# KiCad board data-center-rdimm-ddr4-tester.kicad_pcb (continued)
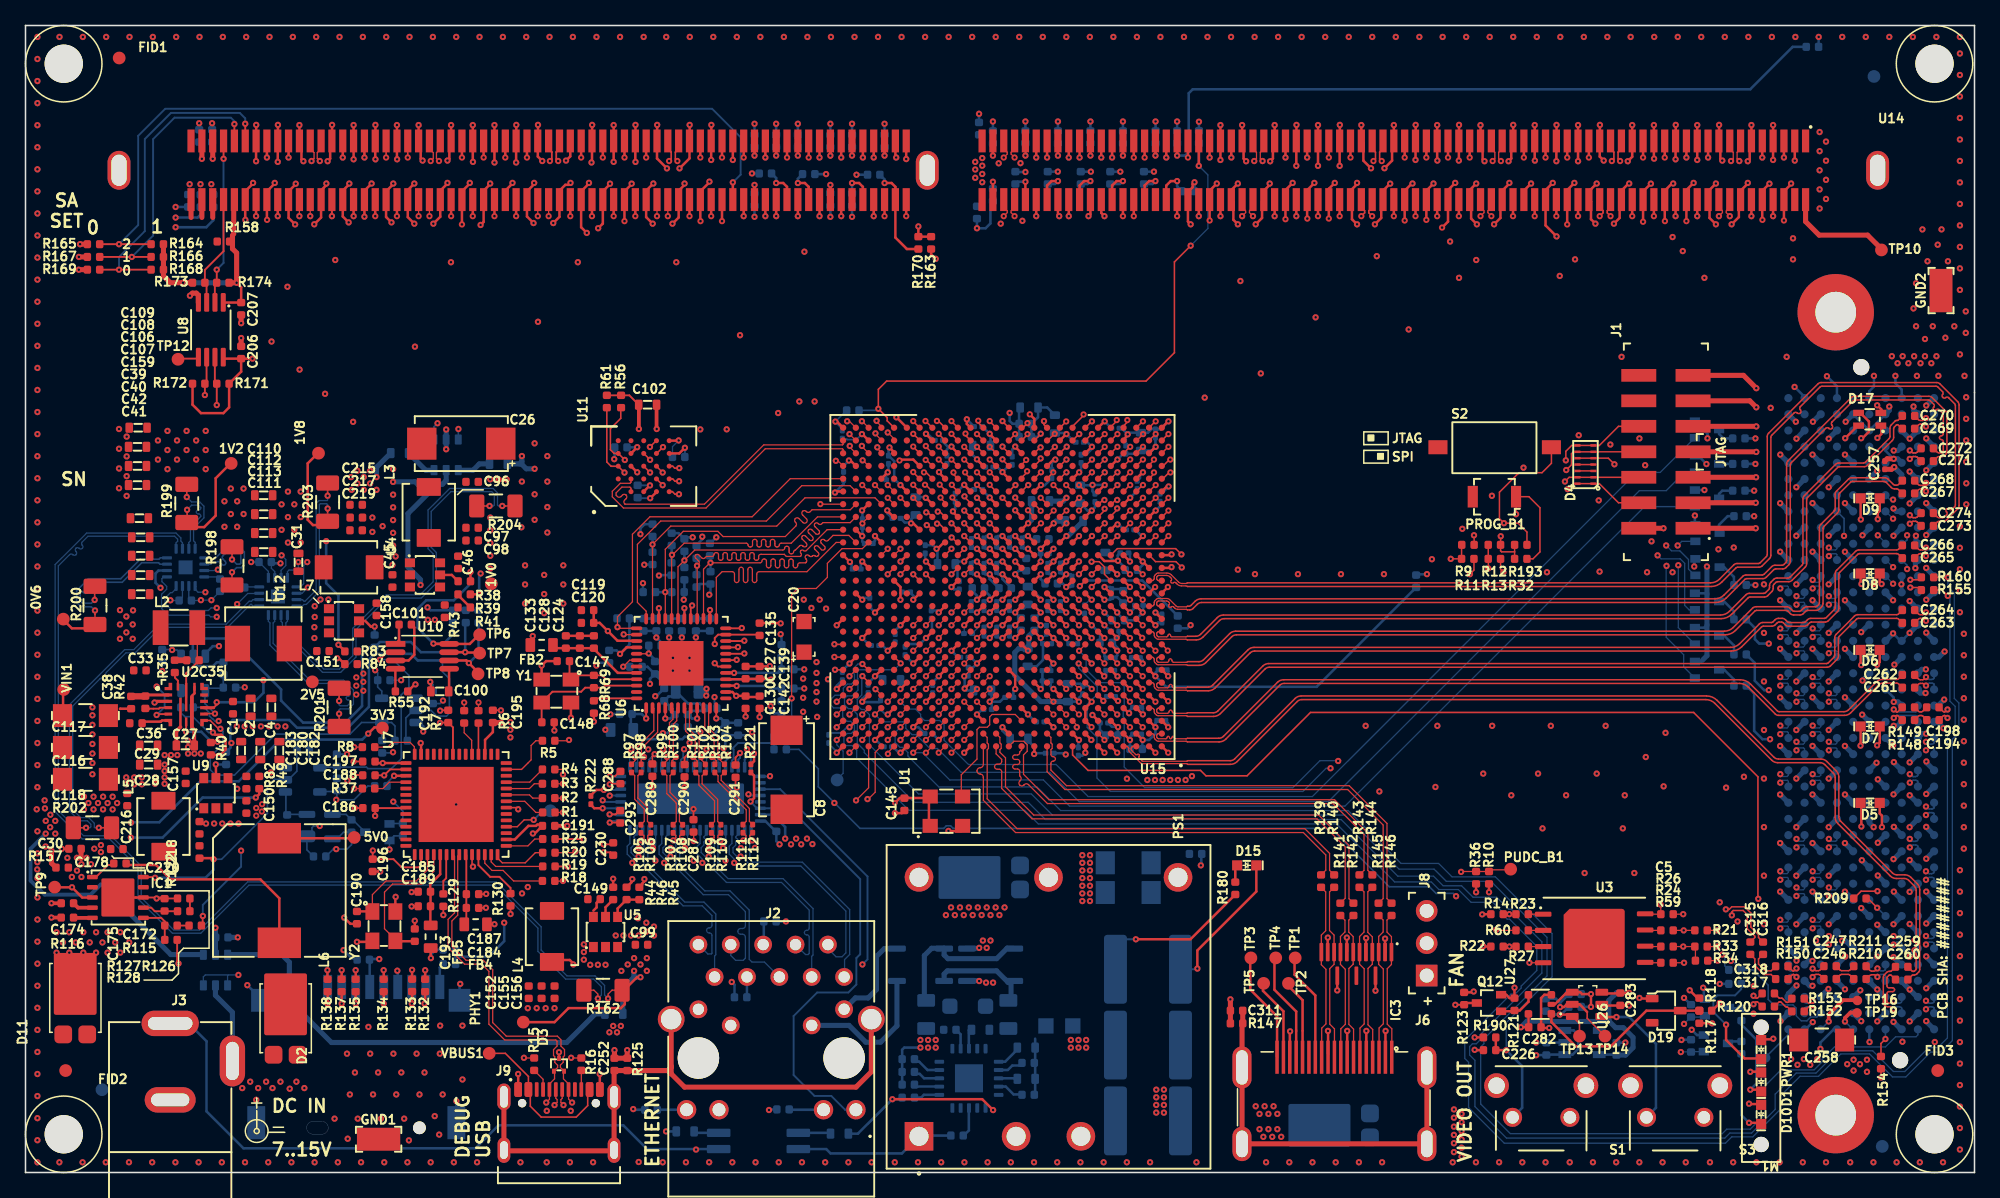
[diagram p0: board, top side]
## Library data of the parts (continued)
R31 R51 R147 R187 R189 = -: Description: 330R resistor in 0402 package with 1% tolerance; Author: Antmicro; License: Apache-2.0; MPN: CR0402-FX-3300GLF; Manufacturer: Bourns; Tolerance: 1%; Val: 330R; Field10: Author: Antmicro; Field12: License: Apache-2.0
R33 = -: Description: 100R resistor in 0402 package with 1% tolerance; Author: Antmicro; DNP: DNP; License: Apache-2.0; MPN: CR0402-FX-1000GLF; Manufacturer: Bourns; Tolerance: 1%; Val: 100R; Field14: License: Apache-2.0; Field15: Author: Antmicro
R34 R36 = -: Description: 100R resistor in 0402 package with 1% tolerance; Author: Antmicro; DNP: DNP; License: Apache-2.0; MPN: CR0402-FX-1000GLF; Manufacturer: Bourns; Tolerance: 1%; Val: 100R; Field13: Author: Antmicro; Field14: License: Apache-2.0
R35 = -: Description: 5R1 resistor in 0402 package with 1% tolerance; Author: Antmicro; License: Apache-2.0; MPN: CR0402-FX-5R10GLF; Manufacturer: Bourns; Tolerance: 1%; Val: 5R1; Field10: License: Apache-2.0; Field11: Author: Antmicro
R37 = -: Description: 22R resistor in 0402 package with 1% tolerance; Author: Antmicro; License: Apache-2.0; MPN: CR0402-FX-22R0GLF; Manufacturer: Bourns; Tolerance: 1%; Val: 22R; Field10: License: Apache-2.0; Field12: Author: Antmicro
R39 = -: Description: 1k5 resistor in 0402 package with 1% tolerance; Author: Antmicro; License: Apache-2.0; MPN: CR0402-FX-1501GLF; Manufacturer: Bourns; Tolerance: 1%; Val: 1k5; Field11: Author: Antmicro; Field12: License: Apache-2.0
R40 R124 = -: Description: 100k resistor in 0402 package with 1% tolerance; Author: Antmicro; License: Apache-2.0; MPN: CR0402-FX-1003GLF; Manufacturer: Bourns; Tolerance: 1%; Val: 100k; Field10: Author: Antmicro; Field12: License: Apache-2.0
R41 = -: Description: 1k resistor in 0402 package with 1% tolerance; Author: Antmicro; License: Apache-2.0; MPN: CR0402-FX-1001GLF; Manufacturer: Bourns; Tolerance: 1%; Val: 1k; Field10: License: Apache-2.0; Field12: Author: Antmicro
R43 R61 R73 R81 R195 = -: Description: 10k resistor in 0402 package with 1% tolerance; Author: Antmicro; License: Apache-2.0; MPN: CR0402-FX-1002GLF; Manufacturer: Bourns; Tolerance: 1%; Val: 10k; Field10: Author: Antmicro; Field12: License: Apache-2.0
R45 = -: Description: 4k99 resistor in 0402 package with 1% tolerance; Author: Antmicro; License: Apache-2.0; MPN: CR0402-FX-4991GLF; Manufacturer: Bourns; Tolerance: 1%; Val: 4k99; Field10: Author: Antmicro; Field11: License: Apache-2.0
R46 R79 R82 R87 R163 R209 R216 R220 = -: Description: 10k resistor in 0402 package with 1% tolerance; Author: Antmicro; License: Apache-2.0; MPN: CR0402-FX-1002GLF; Manufacturer: Bourns; Tolerance: 1%; Val: 10k; Field10: License: Apache-2.0; Field12: Author: Antmicro
R49 = -: Description: 31k6 resistor in 0402 package with 1% tolerance; Author: Antmicro; License: Apache-2.0; MPN: CR0402-FX-3162GLF; Manufacturer: Bourns; Tolerance: 1%; Val: 31k6; Field10: License: Apache-2.0; Field12: Author: Antmicro
R50 R57 = -: Description: 330R resistor in 0402 package with 1% tolerance; Author: Antmicro; License: Apache-2.0; MPN: CR0402-FX-3300GLF; Manufacturer: Bourns; Tolerance: 1%; Val: 330R; Field10: License: Apache-2.0; Field12: Author: Antmicro
R53 R125 = -: Description: 330R resistor in 0402 package with 1% tolerance; Author: Antmicro; License: Apache-2.0; MPN: CR0402-FX-3300GLF; Manufacturer: Bourns; Tolerance: 1%; Val: 330R; Field11: Author: Antmicro; Field12: License: Apache-2.0
R54 = -: Description: 330R resistor in 0402 package with 1% tolerance; Author: Antmicro; License: Apache-2.0; MPN: CR0402-FX-3300GLF; Manufacturer: Bourns; Tolerance: 1%; Val: 330R; Field10: Author: Antmicro; Field11: License: Apache-2.0
R56 R84 R208 = -: Description: 10k resistor in 0402 package with 1% tolerance; Author: Antmicro; License: Apache-2.0; MPN: CR0402-FX-1002GLF; Manufacturer: Bourns; Tolerance: 1%; Val: 10k; Field11: License: Apache-2.0; Field12: Author: Antmicro
R59 R141 = -: Description: 0R resistor in 0402 package with unspecified tolerance; Author: Antmicro; Current: 1A; License: Apache-2.0; MPN: ERJ2GE0R00X; Manufacturer: Panasonic; Val: 0R; Field11: Author: Antmicro; Field12: License: Apache-2.0
R62 = -: Description: 220R resistor in 0402 package with 1% tolerance; Author: Antmicro; License: Apache-2.0; MPN: CR0402-FX-2200GLF; Manufacturer: Bourns; Tolerance: 1%; Val: 220R; Field11: License: Apache-2.0; Field12: Author: Antmicro
R63 = -: Description: 80R6 resistor in 0603 package with 1% tolerance; Author: Antmicro; License: Apache-2.0; MPN: CR0603-FX-80R6ELF; Manufacturer: Bourns; Tolerance: 1%; Val: 80R6; Field10: Author: Antmicro; Field11: License: Apache-2.0
R64 = -: Description: 80R6 resistor in 0603 package with 1% tolerance; Author: Antmicro; License: Apache-2.0; MPN: CR0603-FX-80R6ELF; Manufacturer: Bourns; Tolerance: 1%; Val: 80R6; Field11: Author: Antmicro; Field12: License: Apache-2.0
R65 = -: Description: 1k resistor in 0603 package with 1% tolerance; Author: Antmicro; License: Apache-2.0; MPN: CR0603-FX-1001ELF; Manufacturer: Bourns; Tolerance: 1%; Val: 1k; Field10: License: Apache-2.0; Field11: Author: Antmicro
R66 R183 = -: Description: 1k resistor in 0603 package with 1% tolerance; Author: Antmicro; License: Apache-2.0; MPN: CR0603-FX-1001ELF; Manufacturer: Bourns; Tolerance: 1%; Val: 1k; Field11: Author: Antmicro; Field12: License: Apache-2.0
R67 = -: Description: 220R resistor in 0402 package with 1% tolerance; Author: Antmicro; License: Apache-2.0; MPN: CR0402-FX-2200GLF; Manufacturer: Bourns; Tolerance: 1%; Val: 220R; Field10: Author: Antmicro; Field12: License: Apache-2.0
R68 = -: Description: 12k1 resistor in 0402 package with 1% tolerance; Author: Antmicro; License: Apache-2.0; MPN: CR0402-FX-1212GLF; Manufacturer: Bourns; Tolerance: 1%; Val: 12k1; Field10: Author: Antmicro; Field12: License: Apache-2.0
R69 = -: Description: 1M8 resistor in 0402 package with 1% tolerance; Author: Antmicro; License: Apache-2.0; MPN: CR0402-FX-1804GLF; Manufacturer: Bourns; Tolerance: 1%; Val: 1M8; Field11: License: Apache-2.0; Field12: Author: Antmicro
R70 R75 R177 = -: Description: 10k resistor in 0402 package with 1% tolerance; Author: Antmicro; DNP: DNP; License: Apache-2.0; MPN: CR0402-FX-1002GLF; Manufacturer: Bourns; Tolerance: 1%; Val: 10k; Field13: Author: Antmicro; Field14: License: Apache-2.0
R71 = -: Description: 10k resistor in 0402 package with 1% tolerance; Author: Antmicro; DNP: DNP; License: Apache-2.0; MPN: CR0402-FX-1002GLF; Manufacturer: Bourns; Tolerance: 1%; Val: 10k; Field14: License: Apache-2.0; Field15: Author: Antmicro
R72 R130 R213 R217 = -: Description: 10k resistor in 0402 package with 1% tolerance; Author: Antmicro; License: Apache-2.0; MPN: CR0402-FX-1002GLF; Manufacturer: Bourns; Tolerance: 1%; Val: 10k; Field11: Author: Antmicro; Field12: License: Apache-2.0
R74 = -: Description: 10k resistor in 0402 package with 1% tolerance; Author: Antmicro; DNP: DNP; License: Apache-2.0; MPN: CR0402-FX-1002GLF; Manufacturer: Bourns; Tolerance: 1%; Val: 10k; Field13: License: Apache-2.0; Field15: Author: Antmicro
R76 R80 R88 R193 R194 = -: Description: 10k resistor in 0402 package with 1% tolerance; Author: Antmicro; License: Apache-2.0; MPN: CR0402-FX-1002GLF; Manufacturer: Bourns; Tolerance: 1%; Val: 10k; Field10: License: Apache-2.0; Field11: Author: Antmicro
R77 = -: Description: 2k2 resistor in 0402 package with 1% tolerance; Author: Antmicro; License: Apache-2.0; MPN: CR0402-FX-2201GLF; Manufacturer: Bourns; Tolerance: 1%; Val: 2k2; Field10: License: Apache-2.0; Field12: Author: Antmicro
R78 = -: Description: 1k resistor in 0402 package with 1% tolerance; Author: Antmicro; License: Apache-2.0; MPN: CR0402-FX-1001GLF; Manufacturer: Bourns; Tolerance: 1%; Val: 1k; Field10: License: Apache-2.0; Field11: Author: Antmicro
R83 = -: Description: 12k4 resistor in 0402 package with 1% tolerance; Author: Antmicro; License: Apache-2.0; MPN: CR0402-FX-1242GLF; Manufacturer: Bourns; Tolerance: 1%; Val: 12k4; Field11: Author: Antmicro; Field12: License: Apache-2.0
R85 R176 = -: Description: 63R4 resistor in 0603 package with 1% tolerance; Author: Antmicro; License: Apache-2.0; MPN: CR0603-FX-63R4ELF; Manufacturer: Bourns; Tolerance: 1%; Val: 63R4; Field10: Author: Antmicro; Field11: License: Apache-2.0
R86 R123 R154 R218 = -: Description: 10k resistor in 0402 package with 1% tolerance; Author: Antmicro; License: Apache-2.0; MPN: CR0402-FX-1002GLF; Manufacturer: Bourns; Tolerance: 1%; Val: 10k; Field10: Author: Antmicro; Field11: License: Apache-2.0
R89 = -: Description: 2k2 resistor in 0402 package with 1% tolerance; Author: Antmicro; License: Apache-2.0; MPN: CR0402-FX-2201GLF; Manufacturer: Bourns; Tolerance: 1%; Val: 2k2; Field10: Author: Antmicro; Field12: License: Apache-2.0
R90 R91 = -: Description: 2k2 resistor in 0402 package with 1% tolerance; Author: Antmicro; DNP: DNP; License: Apache-2.0; MPN: CR0402-FX-2201GLF; Manufacturer: Bourns; Tolerance: 1%; Val: 2k2; Field13: Author: Antmicro; Field14: License: Apache-2.0
R92 = -: Description: 2k2 resistor in 0402 package with 1% tolerance; Author: Antmicro; License: Apache-2.0; MPN: CR0402-FX-2201GLF; Manufacturer: Bourns; Tolerance: 1%; Val: 2k2; Field11: Author: Antmicro; Field12: License: Apache-2.0
R94 = -: Description: 2k2 resistor in 0402 package with 1% tolerance; Author: Antmicro; DNP: DNP; License: Apache-2.0; MPN: CR0402-FX-2201GLF; Manufacturer: Bourns; Tolerance: 1%; Val: 2k2; Field13: License: Apache-2.0; Field14: Author: Antmicro
R95 = -: Description: 2k2 resistor in 0402 package with 1% tolerance; Author: Antmicro; DNP: DNP; License: Apache-2.0; MPN: CR0402-FX-2201GLF; Manufacturer: Bourns; Tolerance: 1%; Val: 2k2; Field14: License: Apache-2.0; Field15: Author: Antmicro
R96 = -: Description: 2k2 resistor in 0402 package with 1% tolerance; Author: Antmicro; DNP: DNP; License: Apache-2.0; MPN: CR0402-FX-2201GLF; Manufacturer: Bourns; Tolerance: 1%; Val: 2k2; Field14: Author: Antmicro; Field15: License: Apache-2.0
R97 R99 R103 = -: Description: 0R resistor in 0201 package with 1% tolerance; Author: Antmicro; License: Apache-2.0; MPN: CR0201-FX-0R00GLF; Manufacturer: Bourns; Tolerance: 1%; Val: 0R; Field10: Author: Antmicro; Field11: License: Apache-2.0
R98 R100 R105 R109 R221 = -: Description: 0R resistor in 0201 package with 1% tolerance; Author: Antmicro; License: Apache-2.0; MPN: CR0201-FX-0R00GLF; Manufacturer: Bourns; Tolerance: 1%; Val: 0R; Field10: License: Apache-2.0; Field11: Author: Antmicro
R101 R107 = -: Description: 0R resistor in 0201 package with 1% tolerance; Author: Antmicro; License: Apache-2.0; MPN: CR0201-FX-0R00GLF; Manufacturer: Bourns; Tolerance: 1%; Val: 0R; Field11: License: Apache-2.0; Field12: Author: Antmicro
R102 = -: Description: 0R resistor in 0201 package with 1% tolerance; Author: Antmicro; License: Apache-2.0; MPN: CR0201-FX-0R00GLF; Manufacturer: Bourns; Tolerance: 1%; Val: 0R; Field10: Author: Antmicro; Field12: License: Apache-2.0
R104 R110-R112 R222 = -: Description: 0R resistor in 0201 package with 1% tolerance; Author: Antmicro; License: Apache-2.0; MPN: CR0201-FX-0R00GLF; Manufacturer: Bourns; Tolerance: 1%; Val: 0R; Field11: Author: Antmicro; Field12: License: Apache-2.0
R106 R108 = -: Description: 0R resistor in 0201 package with 1% tolerance; Author: Antmicro; License: Apache-2.0; MPN: CR0201-FX-0R00GLF; Manufacturer: Bourns; Tolerance: 1%; Val: 0R; Field10: License: Apache-2.0; Field12: Author: Antmicro
R113 = -: Description: 330R resistor in 0603 package with 1% tolerance; Author: Antmicro; License: Apache-2.0; MPN: ERJ-UP3F3300V; Manufacturer: Panasonic; Tolerance: 1%; Val: 330R; Field10: License: Apache-2.0; Field11: Author: Antmicro
R114 = -: Description: 330R resistor in 0603 package with 1% tolerance; Author: Antmicro; License: Apache-2.0; MPN: ERJ-UP3F3300V; Manufacturer: Panasonic; Tolerance: 1%; Val: 330R; Field10: License: Apache-2.0; Field12: Author: Antmicro
R115 = -: Description: 16k9 resistor in 0402 package with 1% tolerance; Author: Antmicro; License: Apache-2.0; MPN: CR0402-FX-1692GLF; Manufacturer: Bourns; Tolerance: 1%; Val: 16k9; Field11: License: Apache-2.0; Field12: Author: Antmicro
R116 = -: Description: 243k resistor in 0402 package with 1% tolerance; Author: Antmicro; License: Apache-2.0; MPN: CR0402-FX-2433GLF; Manufacturer: Bourns; Tolerance: 1%; Val: 243k; Field10: License: Apache-2.0; Field12: Author: Antmicro
R117 = -: Description: 47k resistor in 0402 package with 1% tolerance; Author: Antmicro; DNP: DNP; License: Apache-2.0; MPN: CR0402-FX-4702GLF; Manufacturer: Bourns; Tolerance: 1%; Val: 47k; Field14: License: Apache-2.0; Field15: Author: Antmicro
R118 = -: Description: 47k resistor in 0402 package with 1% tolerance; Author: Antmicro; DNP: DNP; License: Apache-2.0; MPN: CR0402-FX-4702GLF; Manufacturer: Bourns; Tolerance: 1%; Val: 47k; Field14: Author: Antmicro; Field15: License: Apache-2.0
R120 = -: Description: 47k resistor in 0402 package with 1% tolerance; Author: Antmicro; License: Apache-2.0; MPN: CR0402-FX-4702GLF; Manufacturer: Bourns; Tolerance: 1%; Val: 47k; Field11: Author: Antmicro; Field12: License: Apache-2.0
R121 R192 = -: Description: 100k resistor in 0402 package with 1% tolerance; Author: Antmicro; License: Apache-2.0; MPN: CR0402-FX-1003GLF; Manufacturer: Bourns; Tolerance: 1%; Val: 100k; Field10: License: Apache-2.0; Field11: Author: Antmicro
R122 R214 R215 = -: Description: 100k resistor in 0402 package with 1% tolerance; Author: Antmicro; License: Apache-2.0; MPN: CR0402-FX-1003GLF; Manufacturer: Bourns; Tolerance: 1%; Val: 100k; Field10: Author: Antmicro; Field11: License: Apache-2.0
R126 = -: Description: 49R9 resistor in 0402 package with 1% tolerance; Author: Antmicro; License: Apache-2.0; MPN: CR0402-FX-49R9GLF; Manufacturer: Bourns; Tolerance: 1%; Val: 49R9; Field11: Author: Antmicro; Field12: License: Apache-2.0
R127 = -: Description: 53k6 resistor in 0402 package with 1% tolerance; Author: Antmicro; License: Apache-2.0; MPN: CR0402-FX-5362GLF; Manufacturer: Bourns; Tolerance: 1%; Val: 53k6; Field10: Author: Antmicro; Field12: License: Apache-2.0
R128 = -: Description: 10k2 resistor in 0402 package with 1% tolerance; Author: Antmicro; License: Apache-2.0; MPN: CR0402-FX-1022GLF; Manufacturer: Bourns; Tolerance: 1%; Val: 10k2; Field10: License: Apache-2.0; Field12: Author: Antmicro
R129 = -: Description: 12k resistor in 0402 package with 1% tolerance; Author: Antmicro; License: Apache-2.0; MPN: CR0402-FX-1202GLF; Manufacturer: Bourns; Tolerance: 1%; Val: 12k; Field10: License: Apache-2.0; Field12: Author: Antmicro
R131 = -: Description: 20k resistor in 0402 package with 1% tolerance; Author: Antmicro; License: Apache-2.0; MPN: CR0402-FX-2002GLF; Manufacturer: Bourns; Tolerance: 1%; Val: 20k; Field11: License: Apache-2.0; Field12: Author: Antmicro
R132 R133 = -: Description: 20k resistor in 0402 package with 1% tolerance; Author: Antmicro; License: Apache-2.0; MPN: CR0402-FX-2002GLF; Manufacturer: Bourns; Tolerance: 1%; Val: 20k; Field10: Author: Antmicro; Field11: License: Apache-2.0
R134 R137 = -: Description: 20k resistor in 0402 package with 1% tolerance; Author: Antmicro; License: Apache-2.0; MPN: CR0402-FX-2002GLF; Manufacturer: Bourns; Tolerance: 1%; Val: 20k; Field10: License: Apache-2.0; Field12: Author: Antmicro
R135 = -: Description: 20k resistor in 0402 package with 1% tolerance; Author: Antmicro; License: Apache-2.0; MPN: CR0402-FX-2002GLF; Manufacturer: Bourns; Tolerance: 1%; Val: 20k; Field10: License: Apache-2.0; Field11: Author: Antmicro
R136 = -: Description: 220R resistor in 0402 package with 1% tolerance; Author: Antmicro; License: Apache-2.0; MPN: CR0402-FX-2200GLF; Manufacturer: Bourns; Tolerance: 1%; Val: 220R; Field11: Author: Antmicro; Field12: License: Apache-2.0
R138 = -: Description: 20k resistor in 0402 package with 1% tolerance; Author: Antmicro; License: Apache-2.0; MPN: CR0402-FX-2002GLF; Manufacturer: Bourns; Tolerance: 1%; Val: 20k; Field10: Author: Antmicro; Field12: License: Apache-2.0
R148 = -: Description: 33R resistor in 0402 package with 1% tolerance; Author: Antmicro; License: Apache-2.0; MPN: CR0402-FX-33R0GLF; Manufacturer: Bourns; Tolerance: 1%; Val: 33R; Field10: Author: Antmicro; Field12: License: Apache-2.0
R149 = -: Description: 33R resistor in 0402 package with 1% tolerance; Author: Antmicro; License: Apache-2.0; MPN: CR0402-FX-33R0GLF; Manufacturer: Bourns; Tolerance: 1%; Val: 33R; Field10: License: Apache-2.0; Field11: Author: Antmicro
R150 R210 = -: Description: 33R resistor in 0402 package with 1% tolerance; Author: Antmicro; License: Apache-2.0; MPN: CR0402-FX-33R0GLF; Manufacturer: Bourns; Tolerance: 1%; Val: 33R; Field11: Author: Antmicro; Field12: License: Apache-2.0
R151 R152 = -: Description: 33R resistor in 0402 package with 1% tolerance; Author: Antmicro; License: Apache-2.0; MPN: CR0402-FX-33R0GLF; Manufacturer: Bourns; Tolerance: 1%; Val: 33R; Field11: License: Apache-2.0; Field12: Author: Antmicro
R153 R211 = -: Description: 33R resistor in 0402 package with 1% tolerance; Author: Antmicro; License: Apache-2.0; MPN: CR0402-FX-33R0GLF; Manufacturer: Bourns; Tolerance: 1%; Val: 33R; Field10: License: Apache-2.0; Field12: Author: Antmicro
R156 = -: Description: 1k3 resistor in 0603 package with 1% tolerance; Author: Antmicro; License: Apache-2.0; MPN: CR0603-FX-1301ELF; Manufacturer: Bourns; Tolerance: 1%; Val: 1k3; Field10: License: Apache-2.0; Field12: Author: Antmicro
R157 R168 R197 = -: Description: 0R resistor in 0402 package with unspecified tolerance; Author: Antmicro; Current: 1A; DNP: DNP; License: Apache-2.0; MPN: ERJ2GE0R00X; Manufacturer: Panasonic; Val: 0R; Field14: Author: Antmicro; Field15: License: Apache-2.0
R159 = -: Description: 49k9 resistor in 0402 package with 1% tolerance; Author: Antmicro; License: Apache-2.0; MPN: CR0402-FX-4992GLF; Manufacturer: Bourns; Tolerance: 1%; Val: 49k9; Field10: Author: Antmicro; Field11: License: Apache-2.0
R162 R198 R201 R202 = -: Description: 0R01 resistor in 1206 package with unspecified tolerance; Author: Antmicro; License: Apache-2.0; MPN: RL1206FR-7W0R01L; Manufacturer: Yaego; Tolerance: 1%; Val: 0R01; Field10: License: Apache-2.0; Field12: Author: Antmicro
R170 R174 R190 = -: Description: 4k7 resistor in 0402 package with 1% tolerance; Author: Antmicro; License: Apache-2.0; MPN: CR0402-FX-4701GLF; Manufacturer: Bourns; Tolerance: 1%; Val: 4k7; Field10: Author: Antmicro; Field11: License: Apache-2.0
R171 = -: Description: 4k7 resistor in 0402 package with 1% tolerance; Author: Antmicro; License: Apache-2.0; MPN: CR0402-FX-4701GLF; Manufacturer: Bourns; Tolerance: 1%; Val: 4k7; Field10: License: Apache-2.0; Field11: Author: Antmicro
R175 = -: Description: 24k9 resistor in 0402 package with 1% tolerance; Author: Antmicro; License: Apache-2.0; MPN: CR0402-FX-2492GLF; Manufacturer: Bourns; Tolerance: 1%; Val: 24k9; Field10: License: Apache-2.0; Field12: Author: Antmicro
R179 R185 R191 = -: Description: 0R resistor in 0402 package with unspecified tolerance; Author: Antmicro; Current: 1A; DNP: DNP; License: Apache-2.0; MPN: ERJ2GE0R00X; Manufacturer: Panasonic; Val: 0R; Field15: License: Apache-2.0; Field16: Author: Antmicro
R180 = -: Description: 32k4 resistor in 0402 package with 1% tolerance; Author: Antmicro; License: Apache-2.0; MPN: CR0402-FX-3242GLF; Manufacturer: Bourns; Tolerance: 1%; Val: 32k4; Field10: License: Apache-2.0; Field12: Author: Antmicro
R181 R182 = -: Description: 10k resistor in 0402 package with 1% tolerance; Author: Antmicro; DNP: DNP; License: Apache-2.0; MPN: CR0402-FX-1002GLF; Manufacturer: Bourns; Tolerance: 1%; Val: 10k; Field13: License: Apache-2.0; Field14: Author: Antmicro
R184 = -: Description: 1k resistor in 0603 package with 1% tolerance; Author: Antmicro; License: Apache-2.0; MPN: CR0603-FX-1001ELF; Manufacturer: Bourns; Tolerance: 1%; Val: 1k; Field11: License: Apache-2.0; Field12: Author: Antmicro
R186 = -: Description: 100k resistor in 0402 package with 1% tolerance; Author: Antmicro; License: Apache-2.0; MPN: CR0402-FX-1003GLF; Manufacturer: Bourns; Tolerance: 1%; Val: 100k; Field10: License: Apache-2.0; Field12: Author: Antmicro
R188 = -: Description: 330R resistor in 0402 package with 1% tolerance; Author: Antmicro; License: Apache-2.0; MPN: CR0402-FX-3300GLF; Manufacturer: Bourns; Tolerance: 1%; Val: 330R; Field11: License: Apache-2.0; Field12: Author: Antmicro
R199 = -: Description: 0R005 resistor in 1206 package with 1% tolerance; Author: Antmicro; License: Apache-2.0; MPN: CR1206-J/-000ELF; Manufacturer: Bourns; Tolerance: 1%; Val: 0R005; Field11: License: Apache-2.0; Field12: Author: Antmicro
R200 R203 = -: Description: 0R01 resistor in 1206 package with unspecified tolerance; Author: Antmicro; License: Apache-2.0; MPN: RL1206FR-7W0R01L; Manufacturer: Yaego; Tolerance: 1%; Val: 0R01; Field10: Author: Antmicro; Field11: License: Apache-2.0
R204 = -: Description: 0R01 resistor in 1206 package with unspecified tolerance; Author: Antmicro; License: Apache-2.0; MPN: RL1206FR-7W0R01L; Manufacturer: Yaego; Tolerance: 1%; Val: 0R01; Field10: License: Apache-2.0; Field11: Author: Antmicro
R207 = -: Description: 100R resistor in 0402 package with 1% tolerance; Author: Antmicro; License: Apache-2.0; MPN: CR0402-FX-1000GLF; Manufacturer: Bourns; Tolerance: 1%; Val: 100R; Field10: License: Apache-2.0; Field11: Author: Antmicro
R212 = -: Description: 100k resistor in 0402 package with 1% tolerance; Author: Antmicro; License: Apache-2.0; MPN: CR0402-FX-1003GLF; Manufacturer: Bourns; Tolerance: 1%; Val: 100k; Field11: Author: Antmicro; Field12: License: Apache-2.0
R219 = -: Description: 0R resistor in 0402 package with unspecified tolerance; Author: Antmicro; Current: 1A; DNP: DNP; License: Apache-2.0; MPN: ERJ2GE0R00X; Manufacturer: Panasonic; Val: 0R; Field14: License: Apache-2.0; Field15: Author: Antmicro
REF** = -: Field5: License: Apache-2.0; Field6: Author: Antmicro
S1 = -: Description: Tactile Switch, Side Actuated, Through Hole, Round Button, 160 gf, 50mA at 24VDC; Author: Antmicro; License: Apache-2.0; MPN: 1-1825027-1; Manufacturer: TE Connectivity; Field9: License: Apache-2.0; Field10: Author: Antmicro
S2 = -: Description: Slide switch; Author: Antmicro; License: Apache-2.0; MPN: DS04-254-1-01BK-SMT; Manufacturer: CUI Inc; Field8: Author: Antmicro; Field9: License: Apache-2.0
S3 = -: Description: Tactile Switch, Side Actuated, Through Hole, Round Button, 160 gf, 50mA at 24VDC; Author: Antmicro; License: Apache-2.0; MPN: 1-1825027-1; Manufacturer: TE Connectivity; Field9: Author: Antmicro; Field10: License: Apache-2.0
TP5 TP9 = -: Description: Test Point 1mm; Author: Antmicro; License: Apache-2.0; Field8: Author: Antmicro; Field9: License: Apache-2.0
TP15 = -: Description: Test Point 0.75mm; Author: Antmicro; License: Apache-2.0; Field9: License: Apache-2.0; Field10: Author: Antmicro
TP16 = -: Description: Test Point 0.75mm; Author: Antmicro; License: Apache-2.0; Field8: Author: Antmicro; Field10: License: Apache-2.0
TP19 = -: Description: Test Point 0.75mm; Author: Antmicro; License: Apache-2.0; Field8: License: Apache-2.0; Field10: Author: Antmicro
U1 = -: Description: MEMS OSC XO 100.0000MHZ LVCMOS; Author: Antmicro; License: Apache-2.0; MPN: ASFLMB-100.000MHZ-XY-T; Manufacturer: Abracon; Field9: Author: Antmicro; Field10: License: Apache-2.0
U2 = -: Author: Antmicro; License: Apache-2.0; MPN: TPS65295RJET; Manufacturer: Texas Instruments; Field9: Author: Antmicro; Field10: License: Apache-2.0
U3 = -: Description: 28 Mbit (16 Mbyte)/256 Mbit (32 Mbyte), 3.0V SPI Flash Memory; Author: Antmicro; License: Apache-2.0; Manufacturer: Cypress Semiconductor; Field9: Author: Antmicro; Field10: License: Apache-2.0
U4 U9 = -: Author: Antmicro; License: Apache-2.0; Manufacturer: Diodes Incorporated; Field8: Author: Antmicro; Field9: License: Apache-2.0
U5 = -: Author: Antmicro; License: Apache-2.0; Manufacturer: Diodes Incorporated; Field9: License: Apache-2.0; Field10: Author: Antmicro
U6 = -: Description: Ethernet Controller, 1000 Mbps, IEEE 802.3, 1.14 V, 3.465 V, QFN, 48 Pins; Author: Antmicro; License: Apache-2.0; Manufacturer: Microchip Technology; Field9: Author: Antmicro; Field10: License: Apache-2.0
U7 = -: Description: Interface Bridges, USB to UART, MPSSE, 1.62 V, 1.98 V, VQFN, 56 Pins, -40 °C; Author: Antmicro; License: Apache-2.0; MPN: FT4232H-56Q-REEL; Manufacturer: FTDI Chip; Field8: Author: Antmicro; Field10: License: Apache-2.0
U8 = -: Description: Translation - Voltage Levels LEVEL TRANSLATING I2; Author: Antmicro; License: Apache-2.0; MPN: PCA9517ADMR2G; Manufacturer: ON Semiconductor; Field9: Author: Antmicro; Field10: License: Apache-2.0
U10 = -: Description: LM3881MME/NOPB; Author: Antmicro; License: Apache-2.0; MPN: LM3881MME/NOPB; Manufacturer: Texas Instruments; Field8: License: Apache-2.0; Field9: Author: Antmicro
U11 = -: Author: Antmicro; License: Apache-2.0; Manufacturer: Cypress Semiconductor; Field9: Author: Antmicro; Field10: License: Apache-2.0
